# KiCad board SparkFun_RTK_Facet_mosaic_panelized.kicad_pcb (continued)
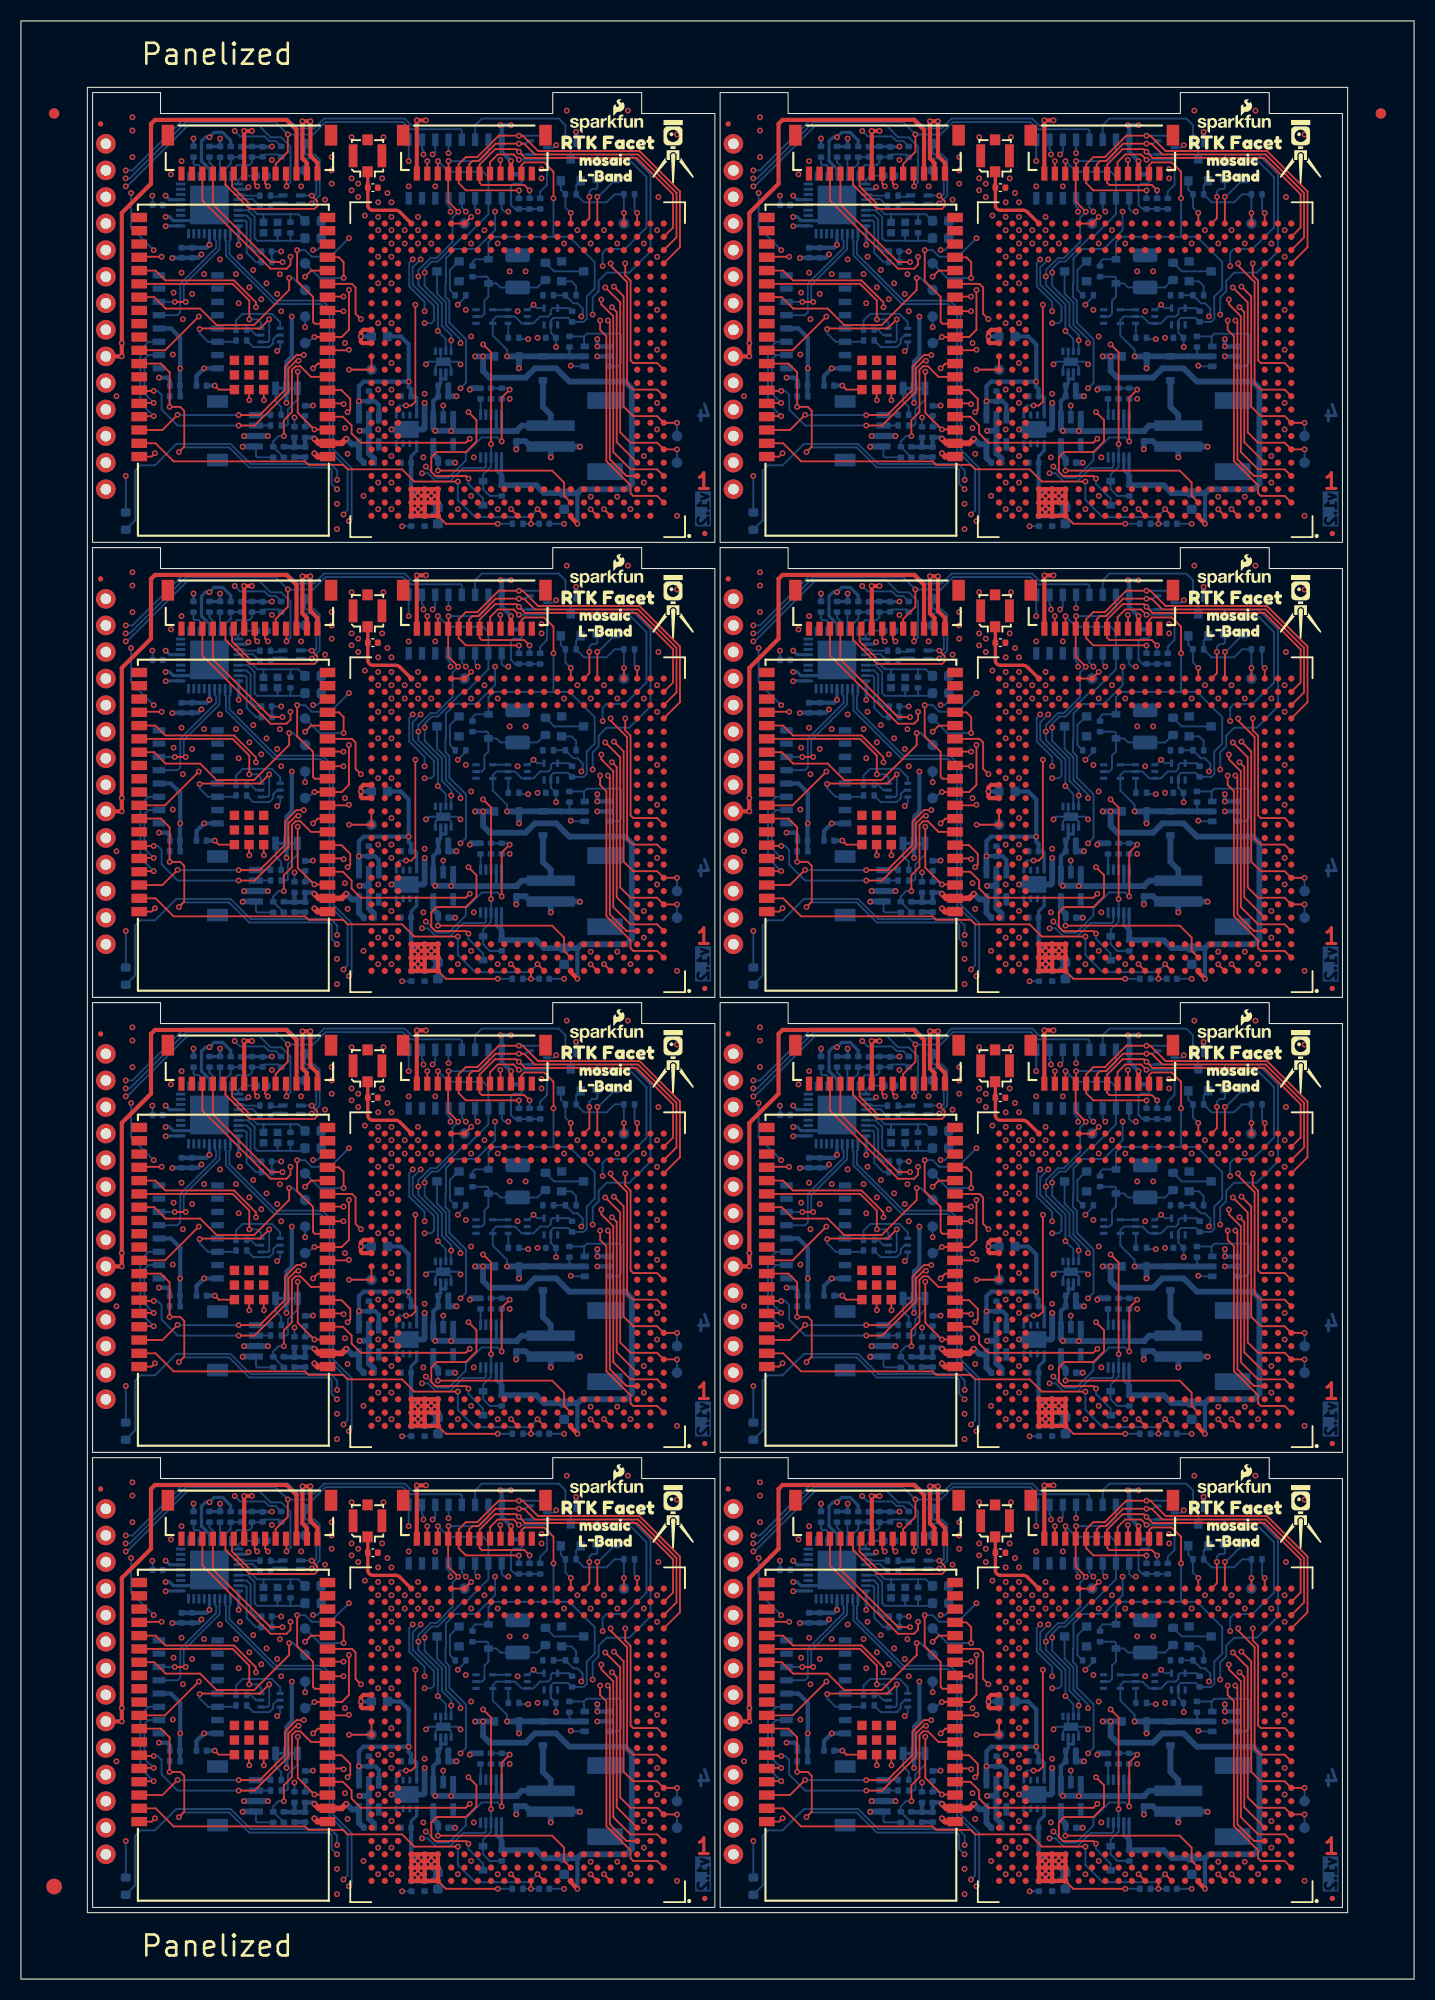
[diagram p0: board, top side]
## Nets (continued)
VBATT: C6.1 C6#2.1 C6#3.1 C6#4.1 C6#5.1 C6#6.1 C6#7.1 C6#8.1 C16.1 C16#2.1 C16#3.1 C16#4.1 C16#5.1 C16#6.1 C16#7.1 C16#8.1 C24.1 C24#2.1 C24#3.1 C24#4.1 C24#5.1 C24#6.1 C24#7.1 C24#8.1 D4.A D4#2.A D4#3.A D4#4.A D4#5.A D4#6.A D4#7.A D4#8.A J2.2 J2#2.2 J2#3.2 J2#4.2 J2#5.2 J2#6.2 J2#7.2 J2#8.2 TP10.1 TP10#2.1 TP10#3.1 TP10#4.1 TP10#5.1 TP10#6.1 TP10#7.1 TP10#8.1 U4.2 U4.3 U4#2.2 U4#2.3 U4#3.2 U4#3.3 U4#4.2 U4#4.3 U4#5.2 U4#5.3 U4#6.2 U4#6.3 U4#7.2 U4#7.3 U4#8.2 U4#8.3 U10.9 U10.10 U10#2.9 U10#2.10 U10#3.9 U10#3.10 U10#4.9 U10#4.10 U10#5.9 U10#5.10 U10#6.9 U10#6.10 U10#7.9 U10#7.10 U10#8.9 U10#8.10 U12.1 U12.3 U12#2.1 U12#2.3 U12#3.1 U12#3.3 U12#4.1 U12#4.3 U12#5.1 U12#5.3 U12#6.1 U12#6.3 U12#7.1 U12#7.3 U12#8.1 U12#8.3
VBUS_DET: C10.1 C10#2.1 C10#3.1 C10#4.1 C10#5.1 C10#6.1 C10#7.1 C10#8.1 R19.2 R19#2.2 R19#3.2 R19#4.2 R19#5.2 R19#6.2 R19#7.2 R19#8.2 R20.1 R20#2.1 R20#3.1 R20#4.1 R20#5.1 R20#6.1 R20#7.1 R20#8.1 U9.27 U9#2.27 U9#3.27 U9#4.27 U9#5.27 U9#6.27 U9#7.27 U9#8.27
VIN: D3.C D3#2.C D3#3.C D3#4.C D3#5.C D3#6.C D3#7.C D3#8.C D4.C D4#2.C D4#3.C D4#4.C D4#5.C D4#6.C D4#7.C D4#8.C Q2.2 Q2#2.2 Q2#3.2 Q2#4.2 Q2#5.2 Q2#6.2 Q2#7.2 Q2#8.2 R18.2 R18#2.2 R18#3.2 R18#4.2 R18#5.2 R18#6.2 R18#7.2 R18#8.2 R22.1 R22#2.1 R22#3.1 R22#4.1 R22#5.1 R22#6.1 R22#7.1 R22#8.1 TP11.1 TP11#2.1 TP11#3.1 TP11#4.1 TP11#5.1 TP11#6.1 TP11#7.1 TP11#8.1 U6.5 U6#2.5 U6#3.5 U6#4.5 U6#5.5 U6#6.5 U6#7.5 U6#8.5 U8.5 U8#2.5 U8#3.5 U8#4.5 U8#5.5 U8#6.5 U8#7.5 U8#8.5 U14.3 U14.5 U14#2.3 U14#2.5 U14#3.3 U14#3.5 U14#4.3 U14#4.5 U14#5.3 U14#5.5 U14#6.3 U14#6.5 U14#7.3 U14#7.5 U14#8.3 U14#8.5
CH340-~{DTR}: Q1.1 Q1#2.1 Q1#3.1 Q1#4.1 Q1#5.1 Q1#6.1 Q1#7.1 Q1#8.1 R2.2 R2#2.2 R2#3.2 R2#4.2 R2#5.2 R2#6.2 R2#7.2 R2#8.2 U3.13 U3#2.13 U3#3.13 U3#4.13 U3#5.13 U3#6.13 U3#7.13 U3#8.13
CH340-~{RTS}: Q1.4 Q1#2.4 Q1#3.4 Q1#4.4 Q1#5.4 Q1#6.4 Q1#7.4 Q1#8.4 R3.2 R3#2.2 R3#3.2 R3#4.2 R3#5.2 R3#6.2 R3#7.2 R3#8.2 U3.14 U3#2.14 U3#3.14 U3#4.14 U3#5.14 U3#6.14 U3#7.14 U3#8.14
CHG_LED: D6.C D6#2.C D6#3.C D6#4.C D6#5.C D6#6.C D6#7.C D6#8.C J4.11 J4#2.11 J4#3.11 J4#4.11 J4#5.11 J4#6.11 J4#7.11 J4#8.11 R42.2 R42#2.2 R42#3.2 R42#4.2 R42#5.2 R42#6.2 R42#7.2 R42#8.2 U10.3 U10#2.3 U10#3.3 U10#4.3 U10#5.3 U10#6.3 U10#7.3 U10#8.3
EN: R9.2 R9#2.2 R9#3.2 R9#4.2 R9#5.2 R9#6.2 R9#7.2 R9#8.2 U14.4 U14#2.4 U14#3.4 U14#4.4 U14#5.4 U14#6.4 U14#7.4 U14#8.4
ESP0/BOOT: Q1.6 Q1#2.6 Q1#3.6 Q1#4.6 Q1#5.6 Q1#6.6 Q1#7.6 Q1#8.6 U1.25 U1#2.25 U1#3.25 U1#4.25 U1#5.25 U1#6.25 U1#7.25 U1#8.25
ESP1/CH340-RX: U1.35 U1#2.35 U1#3.35 U1#4.35 U1#5.35 U1#6.35 U1#7.35 U1#8.35 U3.3 U3#2.3 U3#3.3 U3#4.3 U3#5.3 U3#6.3 U3#7.3 U3#8.3
ESP2/MUXA: U1.24 U1#2.24 U1#3.24 U1#4.24 U1#5.24 U1#6.24 U1#7.24 U1#8.24 U13.10 U13#2.10 U13#3.10 U13#4.10 U13#5.10 U13#6.10 U13#7.10 U13#8.10
ESP3/CH340-TX: U1.34 U1#2.34 U1#3.34 U1#4.34 U1#5.34 U1#6.34 U1#7.34 U1#8.34 U3.2 U3#2.2 U3#3.2 U3#4.2 U3#5.2 U3#6.2 U3#7.2 U3#8.2
ESP4/MTX4: TP18.1 TP18#2.1 TP18#3.1 TP18#4.1 TP18#5.1 TP18#6.1 TP18#7.1 TP18#8.1 U1.26 U1#2.26 U1#3.26 U1#4.26 U1#5.26 U1#6.26 U1#7.26 U1#8.26 U2.E3 U2#2.E3 U2#3.E3 U2#4.E3 U2#5.E3 U2#6.E3 U2#7.E3 U2#8.E3
ESP12/MUXB: U1.14 U1#2.14 U1#3.14 U1#4.14 U1#5.14 U1#6.14 U1#7.14 U1#8.14 U13.9 U13#2.9 U13#3.9 U13#4.9 U13#5.9 U13#6.9 U13#7.9 U13#8.9
ESP13/MTX1: TP15.1 TP15#2.1 TP15#3.1 TP15#4.1 TP15#5.1 TP15#6.1 TP15#7.1 TP15#8.1 U1.16 U1#2.16 U1#3.16 U1#4.16 U1#5.16 U1#6.16 U1#7.16 U1#8.16 U2.D1 U2#2.D1 U2#3.D1 U2#4.D1 U2#5.D1 U2#6.D1 U2#7.D1 U2#8.D1
ESP14/MRX1: TP16.1 TP16#2.1 TP16#3.1 TP16#4.1 TP16#5.1 TP16#6.1 TP16#7.1 TP16#8.1 U1.13 U1#2.13 U1#3.13 U1#4.13 U1#5.13 U1#6.13 U1#7.13 U1#8.13 U2.B1 U2#2.B1 U2#3.B1 U2#4.B1 U2#5.B1 U2#6.B1 U2#7.B1 U2#8.B1
ESP15/SD_~{DET}: J4.4 J4#2.4 J4#3.4 J4#4.4 J4#5.4 J4#6.4 J4#7.4 J4#8.4 U1.23 U1#2.23 U1#3.23 U1#4.23 U1#5.23 U1#6.23 U1#7.23 U1#8.23
ESP18/MEventB: R41.1 R41#2.1 R41#3.1 R41#4.1 R41#5.1 R41#6.1 R41#7.1 R41#8.1 U1.30 U1#2.30 U1#3.30 U1#4.30 U1#5.30 U1#6.30 U1#7.30 U1#8.30
ESP19/CHG_STAT2: R10.2 R10#2.2 R10#3.2 R10#4.2 R10#5.2 R10#6.2 R10#7.2 R10#8.2 U1.31 U1#2.31 U1#3.31 U1#4.31 U1#5.31 U1#6.31 U1#7.31 U1#8.31 U10.4 U10#2.4 U10#3.4 U10#4.4 U10#5.4 U10#6.4 U10#7.4 U10#8.4
ESP21/SDA: J3.3 J3#2.3 J3#3.3 J3#4.3 J3#5.3 J3#6.3 J3#7.3 J3#8.3 J4.10 J4#2.10 J4#3.10 J4#4.10 J4#5.10 J4#6.10 J4#7.10 J4#8.10 J5.7 J5#2.7 J5#3.7 J5#4.7 J5#5.7 J5#6.7 J5#7.7 J5#8.7 R4.2 R4#2.2 R4#3.2 R4#4.2 R4#5.2 R4#6.2 R4#7.2 R4#8.2 U1.33 U1#2.33 U1#3.33 U1#4.33 U1#5.33 U1#6.33 U1#7.33 U1#8.33 U4.8 U4#2.8 U4#3.8 U4#4.8 U4#5.8 U4#6.8 U4#7.8 U4#8.8 U13.2 U13#2.2 U13#3.2 U13#4.2 U13#5.2 U13#6.2 U13#7.2 U13#8.2
ESP22/SCL: J3.4 J3#2.4 J3#3.4 J3#4.4 J3#5.4 J3#6.4 J3#7.4 J3#8.4 J4.9 J4#2.9 J4#3.9 J4#4.9 J4#5.9 J4#6.9 J4#7.9 J4#8.9 J5.6 J5#2.6 J5#3.6 J5#4.6 J5#5.6 J5#6.6 J5#7.6 J5#8.6 R6.2 R6#2.2 R6#3.2 R6#4.2 R6#5.2 R6#6.2 R6#7.2 R6#8.2 U1.36 U1#2.36 U1#3.36 U1#4.36 U1#5.36 U1#6.36 U1#7.36 U1#8.36 U4.7 U4#2.7 U4#3.7 U4#4.7 U4#5.7 U4#6.7 U4#7.7 U4#8.7 U13.15 U13#2.15 U13#3.15 U13#4.15 U13#5.15 U13#6.15 U13#7.15 U13#8.15
ESP23/MOnOff: U1.37 U1#2.37 U1#3.37 U1#4.37 U1#5.37 U1#6.37 U1#7.37 U1#8.37 U2.A10 U2#2.A10 U2#3.A10 U2#4.A10 U2#5.A10 U2#6.A10 U2#7.A10 U2#8.A10
ESP25/MRX4: TP17.1 TP17#2.1 TP17#3.1 TP17#4.1 TP17#5.1 TP17#6.1 TP17#7.1 TP17#8.1 U1.10 U1#2.10 U1#3.10 U1#4.10 U1#5.10 U1#6.10 U1#7.10 U1#8.10 U2.D3 U2#2.D3 U2#3.D3 U2#4.D3 U2#5.D3 U2#6.D3 U2#7.D3 U2#8.D3
ESP26/DAC2: U1.11 U1#2.11 U1#3.11 U1#4.11 U1#5.11 U1#6.11 U1#7.11 U1#8.11 U13.11 U13#2.11 U13#3.11 U13#4.11 U13#5.11 U13#6.11 U13#7.11 U13#8.11
ESP27/PeripheralPower: U1.12 U1#2.12 U1#3.12 U1#4.12 U1#5.12 U1#6.12 U1#7.12 U1#8.12 U7.5 U7#2.5 U7#3.5 U7#4.5 U7#5.5 U7#6.5 U7#7.5 U7#8.5
ESP32/PowerControl: Q5.3 Q5#2.3 Q5#3.3 Q5#4.3 Q5#5.3 Q5#6.3 Q5#7.3 Q5#8.3 U1.8 U1#2.8 U1#3.8 U1#4.8 U1#5.8 U1#6.8 U1#7.8 U1#8.8
ESP33/FastOff: R35.2 R35#2.2 R35#3.2 R35#4.2 R35#5.2 R35#6.2 R35#7.2 R35#8.2 R39.1 R39#2.1 R39#3.1 R39#4.1 R39#5.1 R39#6.1 R39#7.1 R39#8.1 U1.9 U1#2.9 U1#3.9 U1#4.9 U1#5.9 U1#6.9 U1#7.9 U1#8.9
ESP34/CHG_STAT1: D6.A D6#2.A D6#3.A D6#4.A D6#5.A D6#6.A D6#7.A D6#8.A R43.2 R43#2.2 R43#3.2 R43#4.2 R43#5.2 R43#6.2 R43#7.2 R43#8.2 U1.6 U1#2.6 U1#3.6 U1#4.6 U1#5.6 U1#6.6 U1#7.6 U1#8.6
ESP35/DeviceSense: R7.2 R7#2.2 R7#3.2 R7#4.2 R7#5.2 R7#6.2 R7#7.2 R7#8.2 R8.1 R8#2.1 R8#3.1 R8#4.1 R8#5.1 R8#6.1 R8#7.1 R8#8.1 U1.7 U1#2.7 U1#3.7 U1#4.7 U1#5.7 U1#6.7 U1#7.7 U1#8.7
ESP36/MRDY: U1.4 U1#2.4 U1#3.4 U1#4.4 U1#5.4 U1#6.4 U1#7.4 U1#8.4 U2.A12 U2#2.A12 U2#3.A12 U2#4.A12 U2#5.A12 U2#6.A12 U2#7.A12 U2#8.A12
ESP39/ADC39: U1.5 U1#2.5 U1#3.5 U1#4.5 U1#5.5 U1#6.5 U1#7.5 U1#8.5 U13.4 U13#2.4 U13#3.4 U13#4.4 U13#5.4 U13#6.4 U13#7.4 U13#8.4
ESP_DM: U3.6 U3#2.6 U3#3.6 U3#4.6 U3#5.6 U3#6.6 U3#7.6 U3#8.6 U9.3 U9#2.3 U9#3.3 U9#4.3 U9#5.3 U9#6.3 U9#7.3 U9#8.3
ESP_DP: U3.5 U3#2.5 U3#3.5 U3#4.5 U3#5.5 U3#6.5 U3#7.5 U3#8.5 U9.4 U9#2.4 U9#3.4 U9#4.4 U9#5.4 U9#6.4 U9#7.4 U9#8.4
ESP~{RST}: C8.1 C8#2.1 C8#3.1 C8#4.1 C8#5.1 C8#6.1 C8#7.1 C8#8.1 Q1.3 Q1#2.3 Q1#3.3 Q1#4.3 Q1#5.3 Q1#6.3 Q1#7.3 Q1#8.3 R1.2 R1#2.2 R1#3.2 R1#4.2 R1#5.2 R1#6.2 R1#7.2 R1#8.2 TP5.1 TP5#2.1 TP5#3.1 TP5#4.1 TP5#5.1 TP5#6.1 TP5#7.1 TP5#8.1 U1.3 U1#2.3 U1#3.3 U1#4.3 U1#5.3 U1#6.3 U1#7.3 U1#8.3
ExternalDATA_RXI: J5.4 J5#2.4 J5#3.4 J5#4.4 J5#5.4 J5#6.4 J5#7.4 J5#8.4 TP22.1 TP22#2.1 TP22#3.1 TP22#4.1 TP22#5.1 TP22#6.1 TP22#7.1 TP22#8.1 U13.3 U13#2.3 U13#3.3 U13#4.3 U13#5.3 U13#6.3 U13#7.3 U13#8.3
ExternalDATA_TXO: J5.5 J5#2.5 J5#3.5 J5#4.5 J5#5.5 J5#6.5 J5#7.5 J5#8.5 TP21.1 TP21#2.1 TP21#3.1 TP21#4.1 TP21#5.1 TP21#6.1 TP21#7.1 TP21#8.1 U13.13 U13#2.13 U13#3.13 U13#4.13 U13#5.13 U13#6.13 U13#7.13 U13#8.13
M_BACKUP: C25.1 C25#2.1 C25#3.1 C25#4.1 C25#5.1 C25#6.1 C25#7.1 C25#8.1 TP9.1 TP9#2.1 TP9#3.1 TP9#4.1 TP9#5.1 TP9#6.1 TP9#7.1 TP9#8.1 U2.B8 U2#2.B8 U2#3.B8 U2#4.B8 U2#5.B8 U2#6.B8 U2#7.B8 U2#8.B8 U12.5 U12#2.5 U12#3.5 U12#4.5 U12#5.5 U12#6.5 U12#7.5 U12#8.5
MEventA: R16.1 R16#2.1 R16#3.1 R16#4.1 R16#5.1 R16#6.1 R16#7.1 R16#8.1 U13.5 U13#2.5 U13#3.5 U13#4.5 U13#5.5 U13#6.5 U13#7.5 U13#8.5
MOSAIC_DM: U2.A6 U2#2.A6 U2#3.A6 U2#4.A6 U2#5.A6 U2#6.A6 U2#7.A6 U2#8.A6 U9.1 U9#2.1 U9#3.1 U9#4.1 U9#5.1 U9#6.1 U9#7.1 U9#8.1
MOSAIC_DP: U2.A5 U2#2.A5 U2#3.A5 U2#4.A5 U2#5.A5 U2#6.A5 U2#7.A5 U2#8.A5 U9.2 U9#2.2 U9#3.2 U9#4.2 U9#5.2 U9#6.2 U9#7.2 U9#8.2
MOSAIC_RF_IN: D1.2 D1#2.2 D1#3.2 D1#4.2 D1#5.2 D1#6.2 D1#7.2 D1#8.2 J1.1 J1#2.1 J1#3.1 J1#4.1 J1#5.1 J1#6.1 J1#7.1 J1#8.1 U2.AC20 U2#2.AC20 U2#3.AC20 U2#4.AC20 U2#5.AC20 U2#6.AC20 U2#7.AC20 U2#8.AC20
MPPS: Q3.2 Q3#2.2 Q3#3.2 Q3#4.2 Q3#5.2 Q3#6.2 Q3#7.2 Q3#8.2 R12.2 R12#2.2 R12#3.2 R12#4.2 R12#5.2 R12#6.2 R12#7.2 R12#8.2 U2.AC8 U2#2.AC8 U2#3.AC8 U2#4.AC8 U2#5.AC8 U2#6.AC8 U2#7.AC8 U2#8.AC8
MPPS_3V3: Q3.3 Q3#2.3 Q3#3.3 Q3#4.3 Q3#5.3 Q3#6.3 Q3#7.3 Q3#8.3 R13.2 R13#2.2 R13#3.2 R13#4.2 R13#5.2 R13#6.2 R13#7.2 R13#8.2 TP6.1 TP6#2.1 TP6#3.1 TP6#4.1 TP6#5.1 TP6#6.1 TP6#7.1 TP6#8.1 U13.14 U13#2.14 U13#3.14 U13#4.14 U13#5.14 U13#6.14 U13#7.14 U13#8.14
MRX2: J5.11 J5#2.11 J5#3.11 J5#4.11 J5#5.11 J5#6.11 J5#7.11 J5#8.11 TP24.1 TP24#2.1 TP24#3.1 TP24#4.1 TP24#5.1 TP24#6.1 TP24#7.1 TP24#8.1 U2.F1 U2#2.F1 U2#3.F1 U2#4.F1 U2#5.F1 U2#6.F1 U2#7.F1 U2#8.F1
MRX3: U2.K1 U2#2.K1 U2#3.K1 U2#4.K1 U2#5.K1 U2#6.K1 U2#7.K1 U2#8.K1 U13.1 U13#2.1 U13#3.1 U13#4.1 U13#5.1 U13#6.1 U13#7.1 U13#8.1
MTX2: J5.12 J5#2.12 J5#3.12 J5#4.12 J5#5.12 J5#6.12 J5#7.12 J5#8.12 TP25.1 TP25#2.1 TP25#3.1 TP25#4.1 TP25#5.1 TP25#6.1 TP25#7.1 TP25#8.1 U2.H1 U2#2.H1 U2#3.H1 U2#4.H1 U2#5.H1 U2#6.H1 U2#7.H1 U2#8.H1
MTX3: U2.M1 U2#2.M1 U2#3.M1 U2#4.M1 U2#5.M1 U2#6.M1 U2#7.M1 U2#8.M1 U13.12 U13#2.12 U13#3.12 U13#4.12 U13#5.12 U13#6.12 U13#7.12 U13#8.12
POWER_BTN: C18.1 C18#2.1 C18#3.1 C18#4.1 C18#5.1 C18#6.1 C18#7.1 C18#8.1 D5.A D5#2.A D5#3.A D5#4.A D5#5.A D5#6.A D5#7.A D5#8.A J4.2 J4#2.2 J4#3.2 J4#4.2 J4#5.2 J4#6.2 J4#7.2 J4#8.2 R22.2 R22#2.2 R22#3.2 R22#4.2 R22#5.2 R22#6.2 R22#7.2 R22#8.2 R33.2 R33#2.2 R33#3.2 R33#4.2 R33#5.2 R33#6.2 R33#7.2 R33#8.2 TP12.1 TP12#2.1 TP12#3.1 TP12#4.1 TP12#5.1 TP12#6.1 TP12#7.1 TP12#8.1 U6.2 U6#2.2 U6#3.2 U6#4.2 U6#5.2 U6#6.2 U6#7.2 U6#8.2
SD_CLK: D2.5 D2#2.5 D2#3.5 D2#4.5 D2#5.5 D2#6.5 D2#7.5 D2#8.5 J4.7 J4#2.7 J4#3.7 J4#4.7 J4#5.7 J4#6.7 J4#7.7 J4#8.7 U2.AA1 U2#2.AA1 U2#3.AA1 U2#4.AA1 U2#5.AA1 U2#6.AA1 U2#7.AA1 U2#8.AA1
SD_CMD: D2.4 D2#2.4 D2#3.4 D2#4.4 D2#5.4 D2#6.4 D2#7.4 D2#8.4 J4.6 J4#2.6 J4#3.6 J4#4.6 J4#5.6 J4#6.6 J4#7.6 J4#8.6 R37.2 R37#2.2 R37#3.2 R37#4.2 R37#5.2 R37#6.2 R37#7.2 R37#8.2 U2.AB1 U2#2.AB1 U2#3.AB1 U2#4.AB1 U2#5.AB1 U2#6.AB1 U2#7.AB1 U2#8.AB1
SD_DATA: D2.1 D2#2.1 D2#3.1 D2#4.1 D2#5.1 D2#6.1 D2#7.1 D2#8.1 J4.8 J4#2.8 J4#3.8 J4#4.8 J4#5.8 J4#6.8 J4#7.8 J4#8.8 R38.2 R38#2.2 R38#3.2 R38#4.2 R38#5.2 R38#6.2 R38#7.2 R38#8.2 U2.Y1 U2#2.Y1 U2#3.Y1 U2#4.Y1 U2#5.Y1 U2#6.Y1 U2#7.Y1 U2#8.Y1
USB_DM: J5.10 J5#2.10 J5#3.10 J5#4.10 J5#5.10 J5#6.10 J5#7.10 J5#8.10 TP19.1 TP19#2.1 TP19#3.1 TP19#4.1 TP19#5.1 TP19#6.1 TP19#7.1 TP19#8.1 TR1.1 TR1#2.1 TR1#3.1 TR1#4.1 TR1#5.1 TR1#6.1 TR1#7.1 TR1#8.1
USB_DP: J5.9 J5#2.9 J5#3.9 J5#4.9 J5#5.9 J5#6.9 J5#7.9 J5#8.9 TP20.1 TP20#2.1 TP20#3.1 TP20#4.1 TP20#5.1 TP20#6.1 TP20#7.1 TP20#8.1 TR1.3 TR1#2.3 TR1#3.3 TR1#4.3 TR1#5.3 TR1#6.3 TR1#7.3 TR1#8.3
VANT: L1.2 L1#2.2 L1#3.2 L1#4.2 L1#5.2 L1#6.2 L1#7.2 L1#8.2 U2.P23 U2.R23 U2#2.P23 U2#2.R23 U2#3.P23 U2#3.R23 U2#4.P23 U2#4.R23 U2#5.P23 U2#5.R23 U2#6.P23 U2#6.R23 U2#7.P23 U2#7.R23 U2#8.P23 U2#8.R23
VRAW: C7.1 C7#2.1 C7#3.1 C7#4.1 C7#5.1 C7#6.1 C7#7.1 C7#8.1 C22.1 C22#2.1 C22#3.1 C22#4.1 C22#5.1 C22#6.1 C22#7.1 C22#8.1 J5.3 J5#2.3 J5#3.3 J5#4.3 J5#5.3 J5#6.3 J5#7.3 J5#8.3 L1.1 L1#2.1 L1#3.1 L1#4.1 L1#5.1 L1#6.1 L1#7.1 L1#8.1 Q2.4 Q2#2.4 Q2#3.4 Q2#4.4 Q2#5.4 Q2#6.4 Q2#7.4 Q2#8.4 TP8.1 TP8#2.1 TP8#3.1 TP8#4.1 TP8#5.1 TP8#6.1 TP8#7.1 TP8#8.1 U7.8 U7#2.8 U7#3.8 U7#4.8 U7#5.8 U7#6.8 U7#7.8 U7#8.8 U11.1 U11.3 U11#2.1 U11#2.3 U11#3.1 U11#3.3 U11#4.1 U11#4.3 U11#5.1 U11#5.3 U11#6.1 U11#6.3 U11#7.1 U11#7.3 U11#8.1 U11#8.3
VUSB: C17.1 C17#2.1 C17#3.1 C17#4.1 C17#5.1 C17#6.1 C17#7.1 C17#8.1 D3.A D3#2.A D3#3.A D3#4.A D3#5.A D3#6.A D3#7.A D3#8.A J4.12 J4#2.12 J4#3.12 J4#4.12 J4#5.12 J4#6.12 J4#7.12 J4#8.12 J5.1 J5.2 J5#2.1 J5#2.2 J5#3.1 J5#3.2 J5#4.1 J5#4.2 J5#5.1 J5#5.2 J5#6.1 J5#6.2 J5#7.1 J5#7.2 J5#8.1 J5#8.2 R19.1 R19#2.1 R19#3.1 R19#4.1 R19#5.1 R19#6.1 R19#7.1 R19#8.1 R42.1 R42#2.1 R42#3.1 R42#4.1 R42#5.1 R42#6.1 R42#7.1 R42#8.1 TP13.1 TP13#2.1 TP13#3.1 TP13#4.1 TP13#5.1 TP13#6.1 TP13#7.1 TP13#8.1 U2.A8 U2#2.A8 U2#3.A8 U2#4.A8 U2#5.A8 U2#6.A8 U2#7.A8 U2#8.A8 U10.1 U10.2 U10#2.1 U10#2.2 U10#3.1 U10#3.2 U10#4.1 U10#4.2 U10#5.1 U10#5.2 U10#6.1 U10#6.2 U10#7.1 U10#7.2 U10#8.1 U10#8.2
Net-(C19-Pad1): C19.1 C19#2.1 C19#3.1 C19#4.1 C19#5.1 C19#6.1 C19#7.1 C19#8.1 D5.C D5#2.C D5#3.C D5#4.C D5#5.C D5#6.C D5#7.C D5#8.C R33.1 R33#2.1 R33#3.1 R33#4.1 R33#5.1 R33#6.1 R33#7.1 R33#8.1 R34.1 R34#2.1 R34#3.1 R34#4.1 R34#5.1 R34#6.1 R34#7.1 R34#8.1 U8.2 U8#2.2 U8#3.2 U8#4.2 U8#5.2 U8#6.2 U8#7.2 U8#8.2
Net-(D2-K2): D2.3 D2#2.3 D2#3.3 D2#4.3 D2#5.3 D2#6.3 D2#7.3 D2#8.3 J4.5 J4#2.5 J4#3.5 J4#4.5 J4#5.5 J4#6.5 J4#7.5 J4#8.5 R28.2 R28#2.2 R28#3.2 R28#4.2 R28#5.2 R28#6.2 R28#7.2 R28#8.2
Net-(JP1-A): JP1.1 JP1#2.1 JP1#3.1 JP1#4.1 JP1#5.1 JP1#6.1 JP1#7.1 JP1#8.1 R6.1 R6#2.1 R6#3.1 R6#4.1 R6#5.1 R6#6.1 R6#7.1 R6#8.1
Net-(JP1-B): JP1.3 JP1#2.3 JP1#3.3 JP1#4.3 JP1#5.3 JP1#6.3 JP1#7.3 JP1#8.3 R4.1 R4#2.1 R4#3.1 R4#4.1 R4#5.1 R4#6.1 R4#7.1 R4#8.1
Net-(Q1A-B1): Q1.2 Q1#2.2 Q1#3.2 Q1#4.2 Q1#5.2 Q1#6.2 Q1#7.2 Q1#8.2 R3.1 R3#2.1 R3#3.1 R3#4.1 R3#5.1 R3#6.1 R3#7.1 R3#8.1
Net-(Q1B-B2): Q1.5 Q1#2.5 Q1#3.5 Q1#4.5 Q1#5.5 Q1#6.5 Q1#7.5 Q1#8.5 R2.1 R2#2.1 R2#3.1 R2#4.1 R2#5.1 R2#6.1 R2#7.1 R2#8.1
Net-(Q2A-D): Q2.3 Q2.6 Q2#2.3 Q2#2.6 Q2#3.3 Q2#3.6 Q2#4.3 Q2#4.6 Q2#5.3 Q2#5.6 Q2#6.3 Q2#6.6 Q2#7.3 Q2#7.6 Q2#8.3 Q2#8.6 R18.1 R18#2.1 R18#3.1 R18#4.1 R18#5.1 R18#6.1 R18#7.1 R18#8.1
Net-(Q2A-G): Q2.1 Q2#2.1 Q2#3.1 Q2#4.1 Q2#5.1 Q2#6.1 Q2#7.1 Q2#8.1 R9.1 R9#2.1 R9#3.1 R9#4.1 R9#5.1 R9#6.1 R9#7.1 R9#8.1
Net-(Q4-D): Q4.3 Q4#2.3 Q4#3.3 Q4#4.3 Q4#5.3 Q4#6.3 Q4#7.3 Q4#8.3 R34.2 R34#2.2 R34#3.2 R34#4.2 R34#5.2 R34#6.2 R34#7.2 R34#8.2
Net-(Q4-G): Q4.1 Q4#2.1 Q4#3.1 Q4#4.1 Q4#5.1 Q4#6.1 Q4#7.1 Q4#8.1 R35.1 R35#2.1 R35#3.1 R35#4.1 R35#5.1 R35#6.1 R35#7.1 R35#8.1
Net-(Q5-G): Q5.1 Q5#2.1 Q5#3.1 Q5#4.1 Q5#5.1 Q5#6.1 Q5#7.1 Q5#8.1 R36.2 R36#2.2 R36#3.2 R36#4.2 R36#5.2 R36#6.2 R36#7.2 R36#8.2
Net-(R26-Pad2): R26.2 R26#2.2 R26#3.2 R26#4.2 R26#5.2 R26#6.2 R26#7.2 R26#8.2 TR1.2 TR1#2.2 TR1#3.2 TR1#4.2 TR1#5.2 TR1#6.2 TR1#7.2 TR1#8.2
Net-(R27-Pad2): R27.2 R27#2.2 R27#3.2 R27#4.2 R27#5.2 R27#6.2 R27#7.2 R27#8.2 TR1.4 TR1#2.4 TR1#3.4 TR1#4.4 TR1#5.4 TR1#6.4 TR1#7.4 TR1#8.4
Net-(R29-Pad1): R29.1 R29#2.1 R29#3.1 R29#4.1 R29#5.1 R29#6.1 R29#7.1 R29#8.1 R30.2 R30#2.2 R30#3.2 R30#4.2 R30#5.2 R30#6.2 R30#7.2 R30#8.2 R31.2 R31#2.2 R31#3.2 R31#4.2 R31#5.2 R31#6.2 R31#7.2 R31#8.2
Net-(U2-2V8_IN): TP3.1 TP3#2.1 TP3#3.1 TP3#4.1 TP3#5.1 TP3#6.1 TP3#7.1 TP3#8.1 U2.M23 U2.N23 U2#2.M23 U2#2.N23 U2#3.M23 U2#3.N23 U2#4.M23 U2#4.N23 U2#5.M23 U2#5.N23 U2#6.M23 U2#6.N23 U2#7.M23 U2#7.N23 U2#8.M23 U2#8.N23
Net-(U2-EVENTA): R16.2 R16#2.2 R16#3.2 R16#4.2 R16#5.2 R16#6.2 R16#7.2 R16#8.2 U2.AC6 U2#2.AC6 U2#3.AC6 U2#4.AC6 U2#5.AC6 U2#6.AC6 U2#7.AC6 U2#8.AC6
Net-(U2-EVENTB): R41.2 R41#2.2 R41#3.2 R41#4.2 R41#5.2 R41#6.2 R41#7.2 R41#8.2 U2.AC7 U2#2.AC7 U2#3.AC7 U2#4.AC7 U2#5.AC7 U2#6.AC7 U2#7.AC7 U2#8.AC7
Net-(U2-REF_IN): TP2.1 TP2#2.1 TP2#3.1 TP2#4.1 TP2#5.1 TP2#6.1 TP2#7.1 TP2#8.1 U2.AC16 U2.AC17 U2#2.AC16 U2#2.AC17 U2#3.AC16 U2#3.AC17 U2#4.AC16 U2#4.AC17 U2#5.AC16 U2#5.AC17 U2#6.AC16 U2#6.AC17 U2#7.AC16 U2#7.AC17 U2#8.AC16 U2#8.AC17
Net-(U2-SYNC): R5.1 R5#2.1 R5#3.1 R5#4.1 R5#5.1 R5#6.1 R5#7.1 R5#8.1 U2.AC3 U2#2.AC3 U2#3.AC3 U2#4.AC3 U2#5.AC3 U2#6.AC3 U2#7.AC3 U2#8.AC3
Net-(U2-~{RESET}): C3.1 C3#2.1 C3#3.1 C3#4.1 C3#5.1 C3#6.1 C3#7.1 C3#8.1 R11.2 R11#2.2 R11#3.2 R11#4.2 R11#5.2 R11#6.2 R11#7.2 R11#8.2 U2.A11 U2#2.A11 U2#3.A11 U2#4.A11 U2#5.A11 U2#6.A11 U2#7.A11 U2#8.A11
Net-(U9-CRFILT): C12.1 C12#2.1 C12#3.1 C12#4.1 C12#5.1 C12#6.1 C12#7.1 C12#8.1 U9.14 U9#2.14 U9#3.14 U9#4.14 U9#5.14 U9#6.14 U9#7.14 U9#8.14
Net-(U9-HS_IND/CFG1): R24.1 R24#2.1 R24#3.1 R24#4.1 R24#5.1 R24#6.1 R24#7.1 R24#8.1 U9.25 U9#2.25 U9#3.25 U9#4.25 U9#5.25 U9#6.25 U9#7.25 U9#8.25
Net-(U9-PLLFILT): C13.1 C13#2.1 C13#3.1 C13#4.1 C13#5.1 C13#6.1 C13#7.1 C13#8.1 U9.34 U9#2.34 U9#3.34 U9#4.34 U9#5.34 U9#6.34 U9#7.34 U9#8.34
Net-(U9-RBIAS): R17.2 R17#2.2 R17#3.2 R17#4.2 R17#5.2 R17#6.2 R17#7.2 R17#8.2 U9.35 U9#2.35 U9#3.35 U9#4.35 U9#5.35 U9#6.35 U9#7.35 U9#8.35
Net-(U9-SCL/CFG0): R15.1 R15#2.1 R15#3.1 R15#4.1 R15#5.1 R15#6.1 R15#7.1 R15#8.1 U9.24 U9#2.24 U9#3.24 U9#4.24 U9#5.24 U9#6.24 U9#7.24 U9#8.24
Net-(U9-SDA): R14.1 R14#2.1 R14#3.1 R14#4.1 R14#5.1 R14#6.1 R14#7.1 R14#8.1 U9.22 U9#2.22 U9#3.22 U9#4.22 U9#5.22 U9#6.22 U9#7.22 U9#8.22
Net-(U9-SUSP_IND): R23.1 R23#2.1 R23#3.1 R23#4.1 R23#5.1 R23#6.1 R23#7.1 R23#8.1 U9.28 U9#2.28 U9#3.28 U9#4.28 U9#5.28 U9#6.28 U9#7.28 U9#8.28
Net-(U9-USBDM_UP): R26.1 R26#2.1 R26#3.1 R26#4.1 R26#5.1 R26#6.1 R26#7.1 R26#8.1 U9.30 U9#2.30 U9#3.30 U9#4.30 U9#5.30 U9#6.30 U9#7.30 U9#8.30
Net-(U9-USBDP_UP): R27.1 R27#2.1 R27#3.1 R27#4.1 R27#5.1 R27#6.1 R27#7.1 R27#8.1 U9.31 U9#2.31 U9#3.31 U9#4.31 U9#5.31 U9#6.31 U9#7.31 U9#8.31
Net-(U9-XTALIN/CLKIN): C14.1 C14#2.1 C14#3.1 C14#4.1 C14#5.1 C14#6.1 C14#7.1 C14#8.1 R25.2 R25#2.2 R25#3.2 R25#4.2 R25#5.2 R25#6.2 R25#7.2 R25#8.2 U9.33 U9#2.33 U9#3.33 U9#4.33 U9#5.33 U9#6.33 U9#7.33 U9#8.33 Y1.2 Y1#2.2 Y1#3.2 Y1#4.2 Y1#5.2 Y1#6.2 Y1#7.2 Y1#8.2
Net-(U9-XTALOUT): C15.1 C15#2.1 C15#3.1 C15#4.1 C15#5.1 C15#6.1 C15#7.1 C15#8.1 R25.1 R25#2.1 R25#3.1 R25#4.1 R25#5.1 R25#6.1 R25#7.1 R25#8.1 U9.32 U9#2.32 U9#3.32 U9#4.32 U9#5.32 U9#6.32 U9#7.32 U9#8.32 Y1.1 Y1#2.1 Y1#3.1 Y1#4.1 Y1#5.1 Y1#6.1 Y1#7.1 Y1#8.1
Net-(U9-~{RESET}): C11.1 C11#2.1 C11#3.1 C11#4.1 C11#5.1 C11#6.1 C11#7.1 C11#8.1 R21.2 R21#2.2 R21#3.2 R21#4.2 R21#5.2 R21#6.2 R21#7.2 R21#8.2 U9.26 U9#2.26 U9#3.26 U9#4.26 U9#5.26 U9#6.26 U9#7.26 U9#8.26
Net-(U10-PROG): R32.1 R32#2.1 R32#3.1 R32#4.1 R32#5.1 R32#6.1 R32#7.1 R32#8.1 U10.6 U10#2.6 U10#3.6 U10#4.6 U10#5.6 U10#6.6 U10#7.6 U10#8.6
Net-(U10-THERM): R31.1 R31#2.1 R31#3.1 R31#4.1 R31#5.1 R31#6.1 R31#7.1 R31#8.1 U10.8 U10#2.8 U10#3.8 U10#4.8 U10#5.8 U10#6.8 U10#7.8 U10#8.8
Net-(U14-CLK): R36.1 R36#2.1 R36#3.1 R36#4.1 R36#5.1 R36#6.1 R36#7.1 R36#8.1 U6.4 U6#2.4 U6#3.4 U6#4.4 U6#5.4 U6#6.4 U6#7.4 U6#8.4 U14.1 U14#2.1 U14#3.1 U14#4.1 U14#5.1 U14#6.1 U14#7.1 U14#8.1
Net-(U14-~{CLR}): U8.4 U8#2.4 U8#3.4 U8#4.4 U8#5.4 U8#6.4 U8#7.4 U8#8.4 U14.6 U14#2.6 U14#3.6 U14#4.6 U14#5.6 U14#6.6 U14#7.6 U14#8.6
